# KiCad board APA102_Matrix.kicad_pcb (continued)
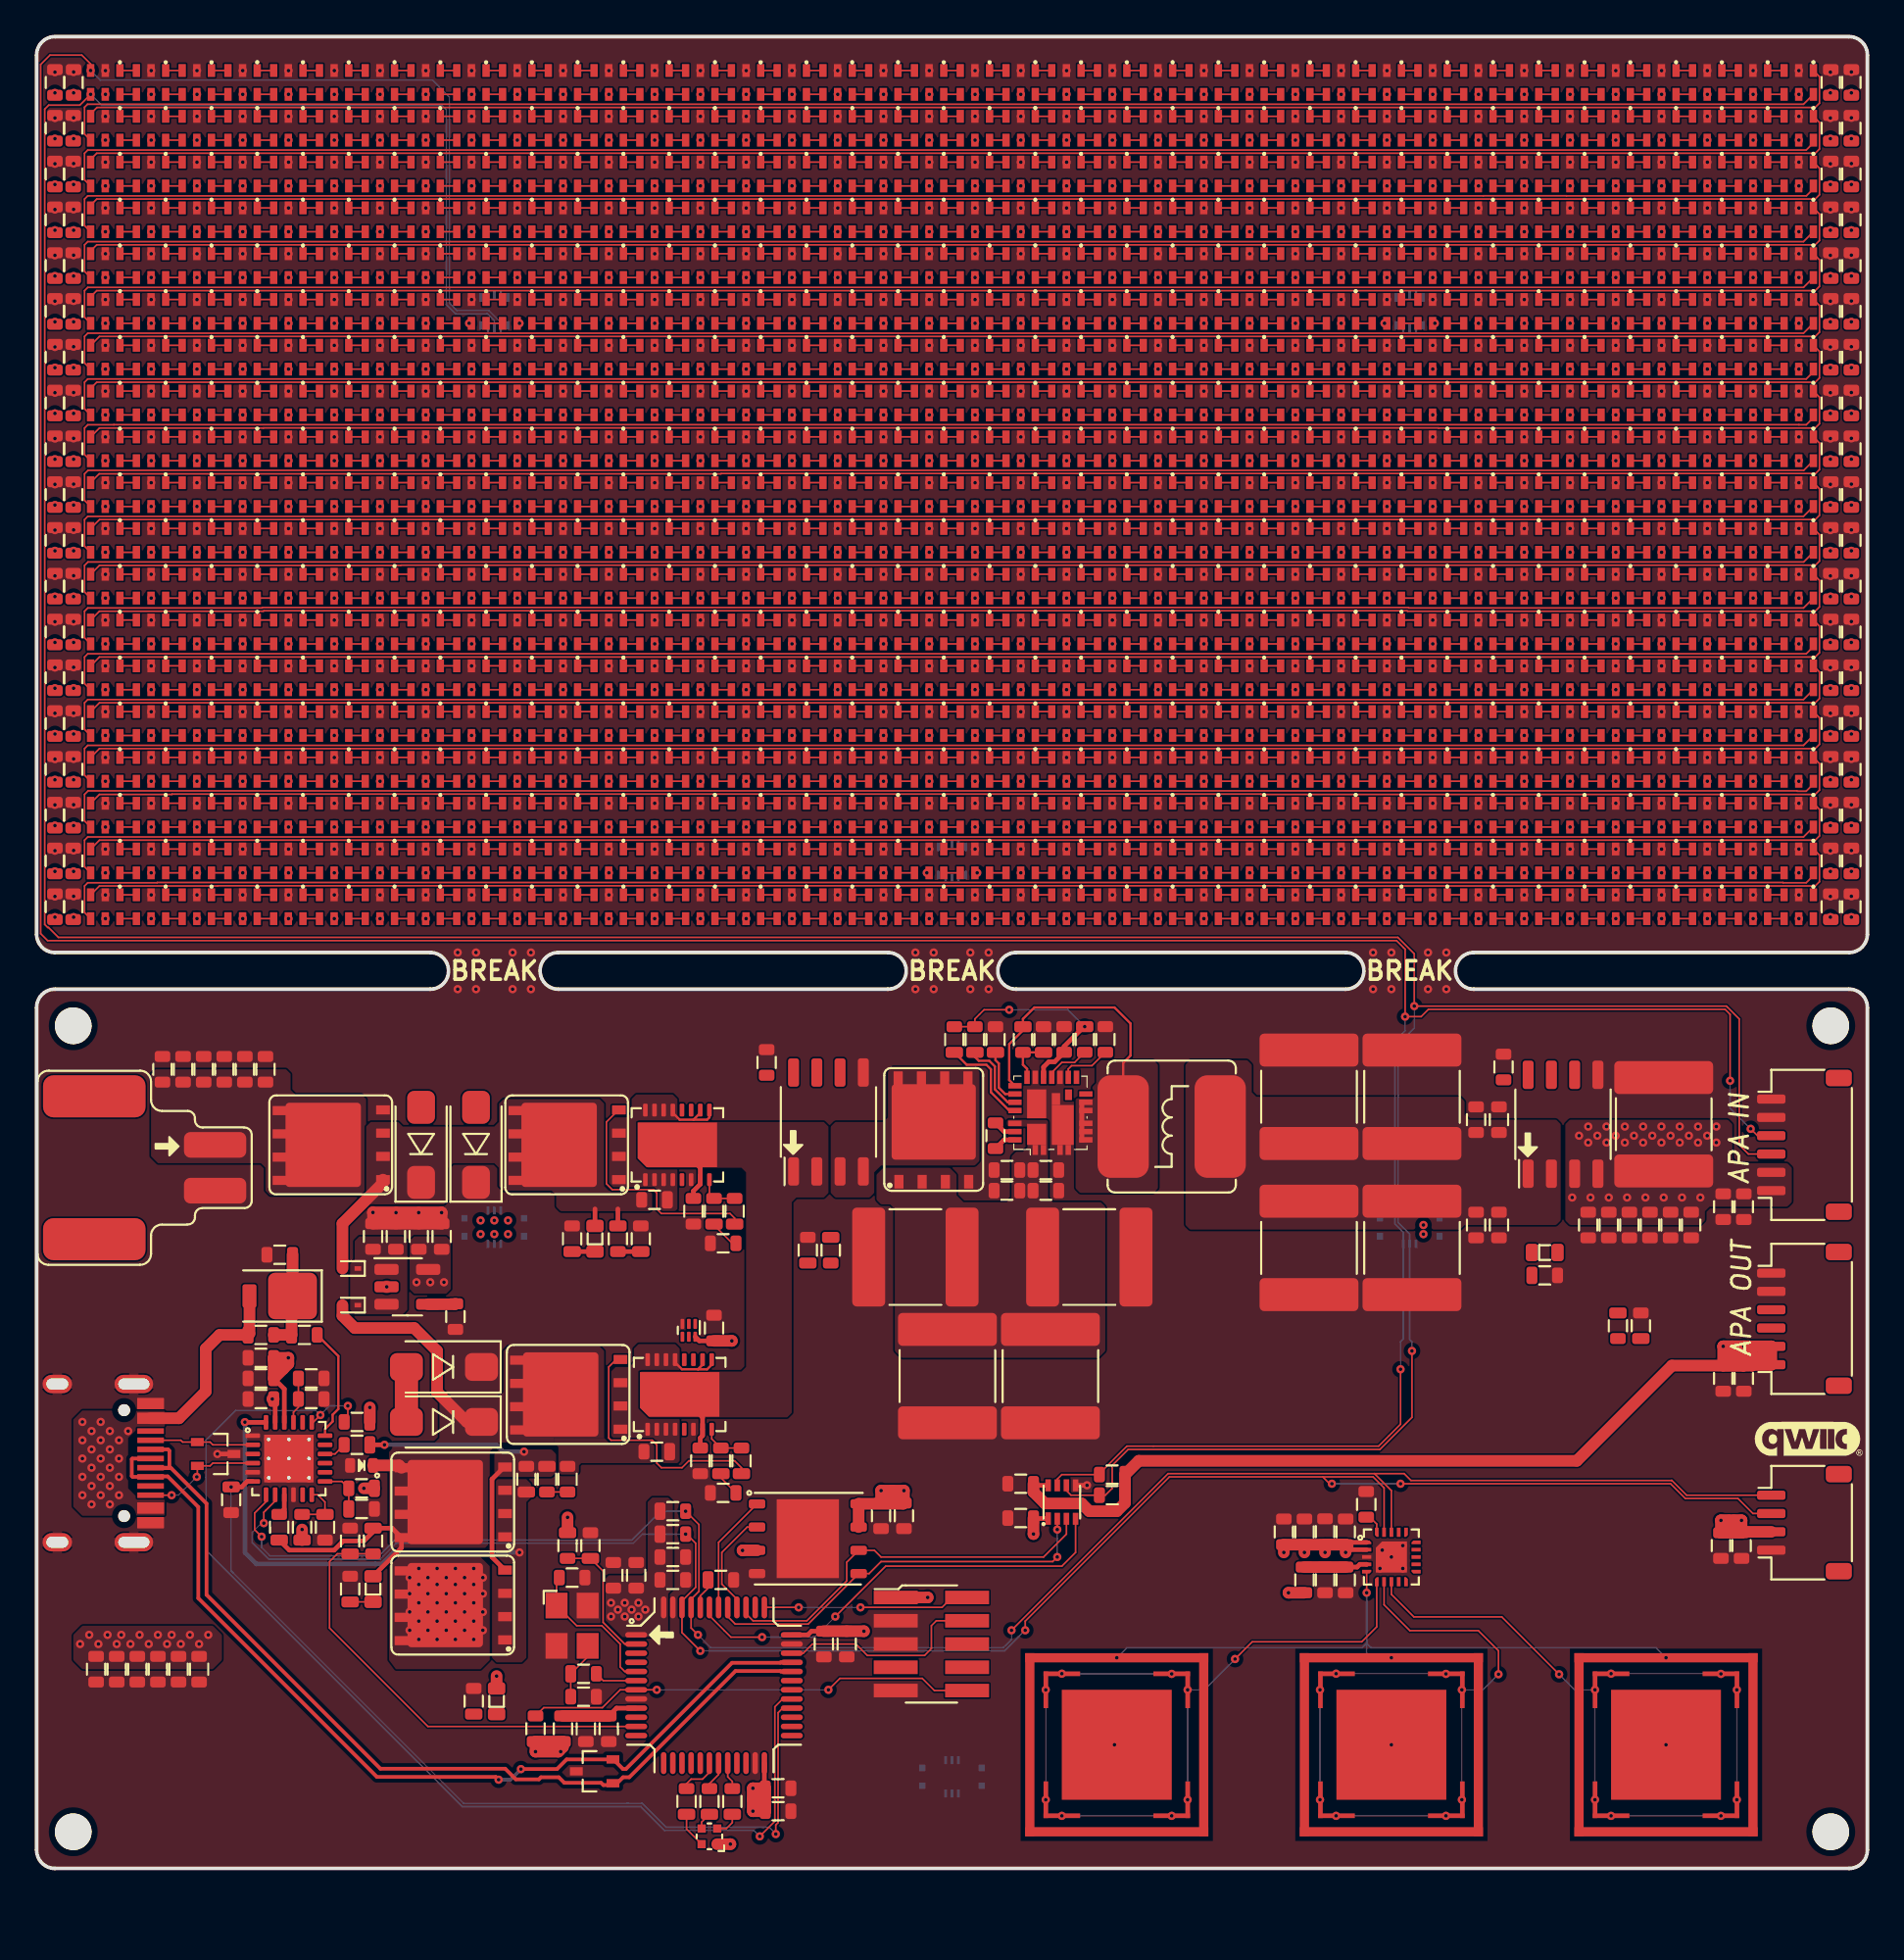
[diagram p0: board, top side]
## Placement (name value [footprint] x y rotation side) (continued)
D216  SK9822  [SK9822_2020]  66.25 85 270 top
D217  SK9822  [SK9822_2020]  68.75 85 270 top
D218  SK9822  [SK9822_2020]  71.25 85 270 top
D219  SK9822  [SK9822_2020]  73.75 85 270 top
D220  SK9822  [SK9822_2020]  76.25 85 270 top
D221  SK9822  [SK9822_2020]  78.75 85 270 top
D222  SK9822  [SK9822_2020]  81.25 85 270 top
D223  SK9822  [SK9822_2020]  83.75 85 270 top
D224  SK9822  [SK9822_2020]  86.25 85 270 top
D225  SK9822  [SK9822_2020]  88.75 85 270 top
D226  SK9822  [SK9822_2020]  91.25 85 270 top
D227  SK9822  [SK9822_2020]  93.75 85 270 top
D228  SK9822  [SK9822_2020]  96.25 85 270 top
D229  SK9822  [SK9822_2020]  3.75 82.5 270 top
D230  SK9822  [SK9822_2020]  6.25 82.5 270 top
D231  SK9822  [SK9822_2020]  8.75 82.5 270 top
D232  SK9822  [SK9822_2020]  11.25 82.5 270 top
D233  SK9822  [SK9822_2020]  13.75 82.5 270 top
D234  SK9822  [SK9822_2020]  16.25 82.5 270 top
D235  SK9822  [SK9822_2020]  18.75 82.5 270 top
D236  SK9822  [SK9822_2020]  21.25 82.5 270 top
D237  SK9822  [SK9822_2020]  23.75 82.5 270 top
D238  SK9822  [SK9822_2020]  26.25 82.5 270 top
D239  SK9822  [SK9822_2020]  28.75 82.5 270 top
D240  SK9822  [SK9822_2020]  31.25 82.5 270 top
D241  SK9822  [SK9822_2020]  33.75 82.5 270 top
D242  SK9822  [SK9822_2020]  36.25 82.5 270 top
D243  SK9822  [SK9822_2020]  38.75 82.5 270 top
D244  SK9822  [SK9822_2020]  41.25 82.5 270 top
D245  SK9822  [SK9822_2020]  43.75 82.5 270 top
D246  SK9822  [SK9822_2020]  46.25 82.5 270 top
D247  SK9822  [SK9822_2020]  48.75 82.5 270 top
D248  SK9822  [SK9822_2020]  51.25 82.5 270 top
D249  SK9822  [SK9822_2020]  53.75 82.5 270 top
D250  SK9822  [SK9822_2020]  56.25 82.5 270 top
D251  SK9822  [SK9822_2020]  58.75 82.5 270 top
D252  SK9822  [SK9822_2020]  61.25 82.5 270 top
D253  SK9822  [SK9822_2020]  63.75 82.5 270 top
D254  SK9822  [SK9822_2020]  66.25 82.5 270 top
D255  SK9822  [SK9822_2020]  68.75 82.5 270 top
D256  SK9822  [SK9822_2020]  71.25 82.5 270 top
D257  SK9822  [SK9822_2020]  73.75 82.5 270 top
D258  SK9822  [SK9822_2020]  76.25 82.5 270 top
D259  SK9822  [SK9822_2020]  78.75 82.5 270 top
D260  SK9822  [SK9822_2020]  81.25 82.5 270 top
D261  SK9822  [SK9822_2020]  83.75 82.5 270 top
D262  SK9822  [SK9822_2020]  86.25 82.5 270 top
D263  SK9822  [SK9822_2020]  88.75 82.5 270 top
D264  SK9822  [SK9822_2020]  91.25 82.5 270 top
D265  SK9822  [SK9822_2020]  93.75 82.5 270 top
D266  SK9822  [SK9822_2020]  96.25 82.5 270 top
D267  SK9822  [SK9822_2020]  3.75 80 270 top
D268  SK9822  [SK9822_2020]  6.25 80 270 top
D269  SK9822  [SK9822_2020]  8.75 80 270 top
D270  SK9822  [SK9822_2020]  11.25 80 270 top
D271  SK9822  [SK9822_2020]  13.75 80 270 top
D272  SK9822  [SK9822_2020]  16.25 80 270 top
D273  SK9822  [SK9822_2020]  18.75 80 270 top
D274  SK9822  [SK9822_2020]  21.25 80 270 top
D275  SK9822  [SK9822_2020]  23.75 80 270 top
D276  SK9822  [SK9822_2020]  26.25 80 270 top
D277  SK9822  [SK9822_2020]  28.75 80 270 top
D278  SK9822  [SK9822_2020]  31.25 80 270 top
D279  SK9822  [SK9822_2020]  33.75 80 270 top
D280  SK9822  [SK9822_2020]  36.25 80 270 top
D281  SK9822  [SK9822_2020]  38.75 80 270 top
D282  SK9822  [SK9822_2020]  41.25 80 270 top
D283  SK9822  [SK9822_2020]  43.75 80 270 top
D284  SK9822  [SK9822_2020]  46.25 80 270 top
D285  SK9822  [SK9822_2020]  48.75 80 270 top
D286  SK9822  [SK9822_2020]  51.25 80 270 top
D287  SK9822  [SK9822_2020]  53.75 80 270 top
D288  SK9822  [SK9822_2020]  56.25 80 270 top
D289  SK9822  [SK9822_2020]  58.75 80 270 top
D290  SK9822  [SK9822_2020]  61.25 80 270 top
D291  SK9822  [SK9822_2020]  63.75 80 270 top
D292  SK9822  [SK9822_2020]  66.25 80 270 top
D293  SK9822  [SK9822_2020]  68.75 80 270 top
D294  SK9822  [SK9822_2020]  71.25 80 270 top
D295  SK9822  [SK9822_2020]  73.75 80 270 top
D296  SK9822  [SK9822_2020]  76.25 80 270 top
D297  SK9822  [SK9822_2020]  78.75 80 270 top
D298  SK9822  [SK9822_2020]  81.25 80 270 top
D299  SK9822  [SK9822_2020]  83.75 80 270 top
D300  SK9822  [SK9822_2020]  86.25 80 270 top
D301  SK9822  [SK9822_2020]  88.75 80 270 top
D302  SK9822  [SK9822_2020]  91.25 80 270 top
D303  SK9822  [SK9822_2020]  93.75 80 270 top
D304  SK9822  [SK9822_2020]  96.25 80 270 top
D305  SK9822  [SK9822_2020]  3.75 77.5 270 top
D306  SK9822  [SK9822_2020]  6.25 77.5 270 top
D307  SK9822  [SK9822_2020]  8.75 77.5 270 top
D308  SK9822  [SK9822_2020]  11.25 77.5 270 top
D309  SK9822  [SK9822_2020]  13.75 77.5 270 top
D310  SK9822  [SK9822_2020]  16.25 77.5 270 top
D311  SK9822  [SK9822_2020]  18.75 77.5 270 top
D312  SK9822  [SK9822_2020]  21.25 77.5 270 top
D313  SK9822  [SK9822_2020]  23.75 77.5 270 top
D314  SK9822  [SK9822_2020]  26.25 77.5 270 top
D315  SK9822  [SK9822_2020]  28.75 77.5 270 top
D316  SK9822  [SK9822_2020]  31.25 77.5 270 top
D317  SK9822  [SK9822_2020]  33.75 77.5 270 top
D318  SK9822  [SK9822_2020]  36.25 77.5 270 top
D319  SK9822  [SK9822_2020]  38.75 77.5 270 top
D320  SK9822  [SK9822_2020]  41.25 77.5 270 top
D321  SK9822  [SK9822_2020]  43.75 77.5 270 top
D322  SK9822  [SK9822_2020]  46.25 77.5 270 top
D323  SK9822  [SK9822_2020]  48.75 77.5 270 top
D324  SK9822  [SK9822_2020]  51.25 77.5 270 top
D325  SK9822  [SK9822_2020]  53.75 77.5 270 top
D326  SK9822  [SK9822_2020]  56.25 77.5 270 top
D327  SK9822  [SK9822_2020]  58.75 77.5 270 top
D328  SK9822  [SK9822_2020]  61.25 77.5 270 top
D329  SK9822  [SK9822_2020]  63.75 77.5 270 top
D330  SK9822  [SK9822_2020]  66.25 77.5 270 top
D331  SK9822  [SK9822_2020]  68.75 77.5 270 top
D332  SK9822  [SK9822_2020]  71.25 77.5 270 top
D333  SK9822  [SK9822_2020]  73.75 77.5 270 top
D334  SK9822  [SK9822_2020]  76.25 77.5 270 top
D335  SK9822  [SK9822_2020]  78.75 77.5 270 top
D336  SK9822  [SK9822_2020]  81.25 77.5 270 top
D337  SK9822  [SK9822_2020]  83.75 77.5 270 top
D338  SK9822  [SK9822_2020]  86.25 77.5 270 top
D339  SK9822  [SK9822_2020]  88.75 77.5 270 top
D340  SK9822  [SK9822_2020]  91.25 77.5 270 top
D341  SK9822  [SK9822_2020]  93.75 77.5 270 top
D342  SK9822  [SK9822_2020]  96.25 77.5 270 top
D343  SK9822  [SK9822_2020]  3.75 75 270 top
D344  SK9822  [SK9822_2020]  6.25 75 270 top
D345  SK9822  [SK9822_2020]  8.75 75 270 top
D346  SK9822  [SK9822_2020]  11.25 75 270 top
D347  SK9822  [SK9822_2020]  13.75 75 270 top
D348  SK9822  [SK9822_2020]  16.25 75 270 top
D349  SK9822  [SK9822_2020]  18.75 75 270 top
D350  SK9822  [SK9822_2020]  21.25 75 270 top
D351  SK9822  [SK9822_2020]  23.75 75 270 top
D352  SK9822  [SK9822_2020]  26.25 75 270 top
D353  SK9822  [SK9822_2020]  28.75 75 270 top
D354  SK9822  [SK9822_2020]  31.25 75 270 top
D355  SK9822  [SK9822_2020]  33.75 75 270 top
D356  SK9822  [SK9822_2020]  36.25 75 270 top
D357  SK9822  [SK9822_2020]  38.75 75 270 top
D358  SK9822  [SK9822_2020]  41.25 75 270 top
D359  SK9822  [SK9822_2020]  43.75 75 270 top
D360  SK9822  [SK9822_2020]  46.25 75 270 top
D361  SK9822  [SK9822_2020]  48.75 75 270 top
D362  SK9822  [SK9822_2020]  51.25 75 270 top
D363  SK9822  [SK9822_2020]  53.75 75 270 top
D364  SK9822  [SK9822_2020]  56.25 75 270 top
D365  SK9822  [SK9822_2020]  58.75 75 270 top
D366  SK9822  [SK9822_2020]  61.25 75 270 top
D367  SK9822  [SK9822_2020]  63.75 75 270 top
D368  SK9822  [SK9822_2020]  66.25 75 270 top
D369  SK9822  [SK9822_2020]  68.75 75 270 top
D370  SK9822  [SK9822_2020]  71.25 75 270 top
D371  SK9822  [SK9822_2020]  73.75 75 270 top
D372  SK9822  [SK9822_2020]  76.25 75 270 top
D373  SK9822  [SK9822_2020]  78.75 75 270 top
D374  SK9822  [SK9822_2020]  81.25 75 270 top
D375  SK9822  [SK9822_2020]  83.75 75 270 top
D376  SK9822  [SK9822_2020]  86.25 75 270 top
D377  SK9822  [SK9822_2020]  88.75 75 270 top
D378  SK9822  [SK9822_2020]  91.25 75 270 top
D379  SK9822  [SK9822_2020]  93.75 75 270 top
D380  SK9822  [SK9822_2020]  96.25 75 270 top
D381  SK9822  [SK9822_2020]  3.75 72.5 270 top
D382  SK9822  [SK9822_2020]  6.25 72.5 270 top
D383  SK9822  [SK9822_2020]  8.75 72.5 270 top
D384  SK9822  [SK9822_2020]  11.25 72.5 270 top
D385  SK9822  [SK9822_2020]  13.75 72.5 270 top
D386  SK9822  [SK9822_2020]  16.25 72.5 270 top
D387  SK9822  [SK9822_2020]  18.75 72.5 270 top
D388  SK9822  [SK9822_2020]  21.25 72.5 270 top
D389  SK9822  [SK9822_2020]  23.75 72.5 270 top
D390  SK9822  [SK9822_2020]  26.25 72.5 270 top
D391  SK9822  [SK9822_2020]  28.75 72.5 270 top
D392  SK9822  [SK9822_2020]  31.25 72.5 270 top
D393  SK9822  [SK9822_2020]  33.75 72.5 270 top
D394  SK9822  [SK9822_2020]  36.25 72.5 270 top
D395  SK9822  [SK9822_2020]  38.75 72.5 270 top
D396  SK9822  [SK9822_2020]  41.25 72.5 270 top
D397  SK9822  [SK9822_2020]  43.75 72.5 270 top
D398  SK9822  [SK9822_2020]  46.25 72.5 270 top
D399  SK9822  [SK9822_2020]  48.75 72.5 270 top
D400  SK9822  [SK9822_2020]  51.25 72.5 270 top
D401  SK9822  [SK9822_2020]  53.75 72.5 270 top
D402  SK9822  [SK9822_2020]  56.25 72.5 270 top
D403  SK9822  [SK9822_2020]  58.75 72.5 270 top
D404  SK9822  [SK9822_2020]  61.25 72.5 270 top
D405  SK9822  [SK9822_2020]  63.75 72.5 270 top
D406  SK9822  [SK9822_2020]  66.25 72.5 270 top
D407  SK9822  [SK9822_2020]  68.75 72.5 270 top
D408  SK9822  [SK9822_2020]  71.25 72.5 270 top
D409  SK9822  [SK9822_2020]  73.75 72.5 270 top
D410  SK9822  [SK9822_2020]  76.25 72.5 270 top
D411  SK9822  [SK9822_2020]  78.75 72.5 270 top
D412  SK9822  [SK9822_2020]  81.25 72.5 270 top
D413  SK9822  [SK9822_2020]  83.75 72.5 270 top
D414  SK9822  [SK9822_2020]  86.25 72.5 270 top
D415  SK9822  [SK9822_2020]  88.75 72.5 270 top
D416  SK9822  [SK9822_2020]  91.25 72.5 270 top
D417  SK9822  [SK9822_2020]  93.75 72.5 270 top
D418  SK9822  [SK9822_2020]  96.25 72.5 270 top
D419  SK9822  [SK9822_2020]  3.75 70 270 top
D420  SK9822  [SK9822_2020]  6.25 70 270 top
D421  SK9822  [SK9822_2020]  8.75 70 270 top
D422  SK9822  [SK9822_2020]  11.25 70 270 top
D423  SK9822  [SK9822_2020]  13.75 70 270 top
D424  SK9822  [SK9822_2020]  16.25 70 270 top
D425  SK9822  [SK9822_2020]  18.75 70 270 top
D426  SK9822  [SK9822_2020]  21.25 70 270 top
D427  SK9822  [SK9822_2020]  23.75 70 270 top
D428  SK9822  [SK9822_2020]  26.25 70 270 top
D429  SK9822  [SK9822_2020]  28.75 70 270 top
D430  SK9822  [SK9822_2020]  31.25 70 270 top
D431  SK9822  [SK9822_2020]  33.75 70 270 top
D432  SK9822  [SK9822_2020]  36.25 70 270 top
D433  SK9822  [SK9822_2020]  38.75 70 270 top
D434  SK9822  [SK9822_2020]  41.25 70 270 top
D435  SK9822  [SK9822_2020]  43.75 70 270 top
D436  SK9822  [SK9822_2020]  46.25 70 270 top
D437  SK9822  [SK9822_2020]  48.75 70 270 top
D438  SK9822  [SK9822_2020]  51.25 70 270 top
D439  SK9822  [SK9822_2020]  53.75 70 270 top
D440  SK9822  [SK9822_2020]  56.25 70 270 top
D441  SK9822  [SK9822_2020]  58.75 70 270 top
D442  SK9822  [SK9822_2020]  61.25 70 270 top
D443  SK9822  [SK9822_2020]  63.75 70 270 top
D444  SK9822  [SK9822_2020]  66.25 70 270 top
D445  SK9822  [SK9822_2020]  68.75 70 270 top
D446  SK9822  [SK9822_2020]  71.25 70 270 top
D447  SK9822  [SK9822_2020]  73.75 70 270 top
D448  SK9822  [SK9822_2020]  76.25 70 270 top
D449  SK9822  [SK9822_2020]  78.75 70 270 top
D450  SK9822  [SK9822_2020]  81.25 70 270 top
D451  SK9822  [SK9822_2020]  83.75 70 270 top
D452  SK9822  [SK9822_2020]  86.25 70 270 top
D453  SK9822  [SK9822_2020]  88.75 70 270 top
D454  SK9822  [SK9822_2020]  91.25 70 270 top
D455  SK9822  [SK9822_2020]  93.75 70 270 top
D456  SK9822  [SK9822_2020]  96.25 70 270 top
D457  SK9822  [SK9822_2020]  3.75 67.5 270 top
D458  SK9822  [SK9822_2020]  6.25 67.5 270 top
D459  SK9822  [SK9822_2020]  8.75 67.5 270 top
D460  SK9822  [SK9822_2020]  11.25 67.5 270 top
D461  SK9822  [SK9822_2020]  13.75 67.5 270 top
D462  SK9822  [SK9822_2020]  16.25 67.5 270 top
D463  SK9822  [SK9822_2020]  18.75 67.5 270 top
D464  SK9822  [SK9822_2020]  21.25 67.5 270 top
D465  SK9822  [SK9822_2020]  23.75 67.5 270 top
D466  SK9822  [SK9822_2020]  26.25 67.5 270 top
D467  SK9822  [SK9822_2020]  28.75 67.5 270 top
D468  SK9822  [SK9822_2020]  31.25 67.5 270 top
D469  SK9822  [SK9822_2020]  33.75 67.5 270 top
D470  SK9822  [SK9822_2020]  36.25 67.5 270 top
D471  SK9822  [SK9822_2020]  38.75 67.5 270 top
D472  SK9822  [SK9822_2020]  41.25 67.5 270 top
D473  SK9822  [SK9822_2020]  43.75 67.5 270 top
D474  SK9822  [SK9822_2020]  46.25 67.5 270 top
D475  SK9822  [SK9822_2020]  48.75 67.5 270 top
D476  SK9822  [SK9822_2020]  51.25 67.5 270 top
D477  SK9822  [SK9822_2020]  53.75 67.5 270 top
D478  SK9822  [SK9822_2020]  56.25 67.5 270 top
D479  SK9822  [SK9822_2020]  58.75 67.5 270 top
D480  SK9822  [SK9822_2020]  61.25 67.5 270 top
D481  SK9822  [SK9822_2020]  63.75 67.5 270 top
D482  SK9822  [SK9822_2020]  66.25 67.5 270 top
D483  SK9822  [SK9822_2020]  68.75 67.5 270 top
D484  SK9822  [SK9822_2020]  71.25 67.5 270 top
D485  SK9822  [SK9822_2020]  73.75 67.5 270 top
D486  SK9822  [SK9822_2020]  76.25 67.5 270 top
D487  SK9822  [SK9822_2020]  78.75 67.5 270 top
D488  SK9822  [SK9822_2020]  81.25 67.5 270 top
D489  SK9822  [SK9822_2020]  83.75 67.5 270 top
D490  SK9822  [SK9822_2020]  86.25 67.5 270 top
D491  SK9822  [SK9822_2020]  88.75 67.5 270 top
D492  SK9822  [SK9822_2020]  91.25 67.5 270 top
D493  SK9822  [SK9822_2020]  93.75 67.5 270 top
D494  SK9822  [SK9822_2020]  96.25 67.5 270 top
D495  SK9822  [SK9822_2020]  3.75 65 270 top
D496  SK9822  [SK9822_2020]  6.25 65 270 top
D497  SK9822  [SK9822_2020]  8.75 65 270 top
D498  SK9822  [SK9822_2020]  11.25 65 270 top
D499  SK9822  [SK9822_2020]  13.75 65 270 top
D500  SK9822  [SK9822_2020]  16.25 65 270 top
D501  SK9822  [SK9822_2020]  18.75 65 270 top
D502  SK9822  [SK9822_2020]  21.25 65 270 top
D503  SK9822  [SK9822_2020]  23.75 65 270 top
D504  SK9822  [SK9822_2020]  26.25 65 270 top
D505  SK9822  [SK9822_2020]  28.75 65 270 top
D506  SK9822  [SK9822_2020]  31.25 65 270 top
D507  SK9822  [SK9822_2020]  33.75 65 270 top
D508  SK9822  [SK9822_2020]  36.25 65 270 top
D509  SK9822  [SK9822_2020]  38.75 65 270 top
D510  SK9822  [SK9822_2020]  41.25 65 270 top
D511  SK9822  [SK9822_2020]  43.75 65 270 top
D512  SK9822  [SK9822_2020]  46.25 65 270 top
D513  SK9822  [SK9822_2020]  48.75 65 270 top
D514  SK9822  [SK9822_2020]  51.25 65 270 top
D515  SK9822  [SK9822_2020]  53.75 65 270 top
D516  SK9822  [SK9822_2020]  56.25 65 270 top
D517  SK9822  [SK9822_2020]  58.75 65 270 top
D518  SK9822  [SK9822_2020]  61.25 65 270 top
D519  SK9822  [SK9822_2020]  63.75 65 270 top
D520  SK9822  [SK9822_2020]  66.25 65 270 top
D521  SK9822  [SK9822_2020]  68.75 65 270 top
D522  SK9822  [SK9822_2020]  71.25 65 270 top
D523  SK9822  [SK9822_2020]  73.75 65 270 top
D524  SK9822  [SK9822_2020]  76.25 65 270 top
D525  SK9822  [SK9822_2020]  78.75 65 270 top
D526  SK9822  [SK9822_2020]  81.25 65 270 top
D527  SK9822  [SK9822_2020]  83.75 65 270 top
D528  SK9822  [SK9822_2020]  86.25 65 270 top
D529  SK9822  [SK9822_2020]  88.75 65 270 top
D530  SK9822  [SK9822_2020]  91.25 65 270 top
D531  SK9822  [SK9822_2020]  93.75 65 270 top
D532  SK9822  [SK9822_2020]  96.25 65 270 top
D533  SK9822  [SK9822_2020]  3.75 62.5 270 top
D534  SK9822  [SK9822_2020]  6.25 62.5 270 top
D535  SK9822  [SK9822_2020]  8.75 62.5 270 top
D536  SK9822  [SK9822_2020]  11.25 62.5 270 top
D537  SK9822  [SK9822_2020]  13.75 62.5 270 top
D538  SK9822  [SK9822_2020]  16.25 62.5 270 top
D539  SK9822  [SK9822_2020]  18.75 62.5 270 top
D540  SK9822  [SK9822_2020]  21.25 62.5 270 top
D541  SK9822  [SK9822_2020]  23.75 62.5 270 top
D542  SK9822  [SK9822_2020]  26.25 62.5 270 top
D543  SK9822  [SK9822_2020]  28.75 62.5 270 top
D544  SK9822  [SK9822_2020]  31.25 62.5 270 top
D545  SK9822  [SK9822_2020]  33.75 62.5 270 top
D546  SK9822  [SK9822_2020]  36.25 62.5 270 top
D547  SK9822  [SK9822_2020]  38.75 62.5 270 top
D548  SK9822  [SK9822_2020]  41.25 62.5 270 top
D549  SK9822  [SK9822_2020]  43.75 62.5 270 top
D550  SK9822  [SK9822_2020]  46.25 62.5 270 top
D551  SK9822  [SK9822_2020]  48.75 62.5 270 top
D552  SK9822  [SK9822_2020]  51.25 62.5 270 top
D553  SK9822  [SK9822_2020]  53.75 62.5 270 top
D554  SK9822  [SK9822_2020]  56.25 62.5 270 top
D555  SK9822  [SK9822_2020]  58.75 62.5 270 top
D556  SK9822  [SK9822_2020]  61.25 62.5 270 top
D557  SK9822  [SK9822_2020]  63.75 62.5 270 top
D558  SK9822  [SK9822_2020]  66.25 62.5 270 top
D559  SK9822  [SK9822_2020]  68.75 62.5 270 top
D560  SK9822  [SK9822_2020]  71.25 62.5 270 top
D561  SK9822  [SK9822_2020]  73.75 62.5 270 top
D562  SK9822  [SK9822_2020]  76.25 62.5 270 top
D563  SK9822  [SK9822_2020]  78.75 62.5 270 top
D564  SK9822  [SK9822_2020]  81.25 62.5 270 top
D565  SK9822  [SK9822_2020]  83.75 62.5 270 top
D566  SK9822  [SK9822_2020]  86.25 62.5 270 top
D567  SK9822  [SK9822_2020]  88.75 62.5 270 top
D568  SK9822  [SK9822_2020]  91.25 62.5 270 top
D569  SK9822  [SK9822_2020]  93.75 62.5 270 top
D570  SK9822  [SK9822_2020]  96.25 62.5 270 top
D571  SK9822  [SK9822_2020]  3.75 60 270 top
D572  SK9822  [SK9822_2020]  6.25 60 270 top
D573  SK9822  [SK9822_2020]  8.75 60 270 top
D574  SK9822  [SK9822_2020]  11.25 60 270 top
D575  SK9822  [SK9822_2020]  13.75 60 270 top
D576  SK9822  [SK9822_2020]  16.25 60 270 top
D577  SK9822  [SK9822_2020]  18.75 60 270 top
D578  SK9822  [SK9822_2020]  21.25 60 270 top
D579  SK9822  [SK9822_2020]  23.75 60 270 top
D580  SK9822  [SK9822_2020]  26.25 60 270 top
D581  SK9822  [SK9822_2020]  28.75 60 270 top
D582  SK9822  [SK9822_2020]  31.25 60 270 top
D583  SK9822  [SK9822_2020]  33.75 60 270 top
D584  SK9822  [SK9822_2020]  36.25 60 270 top
D585  SK9822  [SK9822_2020]  38.75 60 270 top
D586  SK9822  [SK9822_2020]  41.25 60 270 top
D587  SK9822  [SK9822_2020]  43.75 60 270 top
D588  SK9822  [SK9822_2020]  46.25 60 270 top
D589  SK9822  [SK9822_2020]  48.75 60 270 top
D590  SK9822  [SK9822_2020]  51.25 60 270 top
D591  SK9822  [SK9822_2020]  53.75 60 270 top
D592  SK9822  [SK9822_2020]  56.25 60 270 top
D593  SK9822  [SK9822_2020]  58.75 60 270 top
D594  SK9822  [SK9822_2020]  61.25 60 270 top
D595  SK9822  [SK9822_2020]  63.75 60 270 top
D596  SK9822  [SK9822_2020]  66.25 60 270 top
D597  SK9822  [SK9822_2020]  68.75 60 270 top
D598  SK9822  [SK9822_2020]  71.25 60 270 top
D599  SK9822  [SK9822_2020]  73.75 60 270 top
D600  SK9822  [SK9822_2020]  76.25 60 270 top
D601  SK9822  [SK9822_2020]  78.75 60 270 top
D602  SK9822  [SK9822_2020]  81.25 60 270 top
D603  SK9822  [SK9822_2020]  83.75 60 270 top
D604  SK9822  [SK9822_2020]  86.25 60 270 top
D605  SK9822  [SK9822_2020]  88.75 60 270 top
D606  SK9822  [SK9822_2020]  91.25 60 270 top
D607  SK9822  [SK9822_2020]  93.75 60 270 top
D608  SK9822  [SK9822_2020]  96.25 60 270 top
D609  SK9822  [SK9822_2020]  3.75 57.5 270 top
D610  SK9822  [SK9822_2020]  6.25 57.5 270 top
D611  SK9822  [SK9822_2020]  8.75 57.5 270 top
D612  SK9822  [SK9822_2020]  11.25 57.5 270 top
D613  SK9822  [SK9822_2020]  13.75 57.5 270 top
D614  SK9822  [SK9822_2020]  16.25 57.5 270 top
D615  SK9822  [SK9822_2020]  18.75 57.5 270 top
D616  SK9822  [SK9822_2020]  21.25 57.5 270 top
D617  SK9822  [SK9822_2020]  23.75 57.5 270 top
D618  SK9822  [SK9822_2020]  26.25 57.5 270 top
D619  SK9822  [SK9822_2020]  28.75 57.5 270 top
D620  SK9822  [SK9822_2020]  31.25 57.5 270 top
D621  SK9822  [SK9822_2020]  33.75 57.5 270 top
D622  SK9822  [SK9822_2020]  36.25 57.5 270 top
D623  SK9822  [SK9822_2020]  38.75 57.5 270 top
D624  SK9822  [SK9822_2020]  41.25 57.5 270 top
D625  SK9822  [SK9822_2020]  43.75 57.5 270 top
D626  SK9822  [SK9822_2020]  46.25 57.5 270 top
D627  SK9822  [SK9822_2020]  48.75 57.5 270 top
D628  SK9822  [SK9822_2020]  51.25 57.5 270 top
D629  SK9822  [SK9822_2020]  53.75 57.5 270 top
D630  SK9822  [SK9822_2020]  56.25 57.5 270 top
D631  SK9822  [SK9822_2020]  58.75 57.5 270 top
D632  SK9822  [SK9822_2020]  61.25 57.5 270 top
D633  SK9822  [SK9822_2020]  63.75 57.5 270 top
D634  SK9822  [SK9822_2020]  66.25 57.5 270 top
D635  SK9822  [SK9822_2020]  68.75 57.5 270 top
D636  SK9822  [SK9822_2020]  71.25 57.5 270 top
D637  SK9822  [SK9822_2020]  73.75 57.5 270 top
D638  SK9822  [SK9822_2020]  76.25 57.5 270 top
D639  SK9822  [SK9822_2020]  78.75 57.5 270 top
D640  SK9822  [SK9822_2020]  81.25 57.5 270 top
D641  SK9822  [SK9822_2020]  83.75 57.5 270 top
D642  SK9822  [SK9822_2020]  86.25 57.5 270 top
D643  SK9822  [SK9822_2020]  88.75 57.5 270 top
D644  SK9822  [SK9822_2020]  91.25 57.5 270 top
D645  SK9822  [SK9822_2020]  93.75 57.5 270 top
D646  SK9822  [SK9822_2020]  96.25 57.5 270 top
D647  SK9822  [SK9822_2020]  3.75 55 270 top
D648  SK9822  [SK9822_2020]  6.25 55 270 top
D649  SK9822  [SK9822_2020]  8.75 55 270 top
D650  SK9822  [SK9822_2020]  11.25 55 270 top
D651  SK9822  [SK9822_2020]  13.75 55 270 top
D652  SK9822  [SK9822_2020]  16.25 55 270 top
D653  SK9822  [SK9822_2020]  18.75 55 270 top
D654  SK9822  [SK9822_2020]  21.25 55 270 top
D655  SK9822  [SK9822_2020]  23.75 55 270 top
D656  SK9822  [SK9822_2020]  26.25 55 270 top
D657  SK9822  [SK9822_2020]  28.75 55 270 top
D658  SK9822  [SK9822_2020]  31.25 55 270 top
D659  SK9822  [SK9822_2020]  33.75 55 270 top
D660  SK9822  [SK9822_2020]  36.25 55 270 top
D661  SK9822  [SK9822_2020]  38.75 55 270 top
D662  SK9822  [SK9822_2020]  41.25 55 270 top
D663  SK9822  [SK9822_2020]  43.75 55 270 top
D664  SK9822  [SK9822_2020]  46.25 55 270 top
D665  SK9822  [SK9822_2020]  48.75 55 270 top
D666  SK9822  [SK9822_2020]  51.25 55 270 top
D667  SK9822  [SK9822_2020]  53.75 55 270 top
D668  SK9822  [SK9822_2020]  56.25 55 270 top
D669  SK9822  [SK9822_2020]  58.75 55 270 top
D670  SK9822  [SK9822_2020]  61.25 55 270 top
D671  SK9822  [SK9822_2020]  63.75 55 270 top
D672  SK9822  [SK9822_2020]  66.25 55 270 top
D673  SK9822  [SK9822_2020]  68.75 55 270 top
D674  SK9822  [SK9822_2020]  71.25 55 270 top
D675  SK9822  [SK9822_2020]  73.75 55 270 top
D676  SK9822  [SK9822_2020]  76.25 55 270 top
D677  SK9822  [SK9822_2020]  78.75 55 270 top
D678  SK9822  [SK9822_2020]  81.25 55 270 top
D679  SK9822  [SK9822_2020]  83.75 55 270 top
D680  SK9822  [SK9822_2020]  86.25 55 270 top
D681  SK9822  [SK9822_2020]  88.75 55 270 top
D682  SK9822  [SK9822_2020]  91.25 55 270 top
D683  SK9822  [SK9822_2020]  93.75 55 270 top
D684  SK9822  [SK9822_2020]  96.25 55 270 top
D685  SK9822  [SK9822_2020]  3.75 52.5 270 top
D686  SK9822  [SK9822_2020]  6.25 52.5 270 top
D687  SK9822  [SK9822_2020]  8.75 52.5 270 top
D688  SK9822  [SK9822_2020]  11.25 52.5 270 top
D689  SK9822  [SK9822_2020]  13.75 52.5 270 top
D690  SK9822  [SK9822_2020]  16.25 52.5 270 top
D691  SK9822  [SK9822_2020]  18.75 52.5 270 top
D692  SK9822  [SK9822_2020]  21.25 52.5 270 top
D693  SK9822  [SK9822_2020]  23.75 52.5 270 top
D694  SK9822  [SK9822_2020]  26.25 52.5 270 top
D695  SK9822  [SK9822_2020]  28.75 52.5 270 top
D696  SK9822  [SK9822_2020]  31.25 52.5 270 top
D697  SK9822  [SK9822_2020]  33.75 52.5 270 top
D698  SK9822  [SK9822_2020]  36.25 52.5 270 top
D699  SK9822  [SK9822_2020]  38.75 52.5 270 top
D700  SK9822  [SK9822_2020]  41.25 52.5 270 top
D701  SK9822  [SK9822_2020]  43.75 52.5 270 top
D702  SK9822  [SK9822_2020]  46.25 52.5 270 top
D703  SK9822  [SK9822_2020]  48.75 52.5 270 top
D704  SK9822  [SK9822_2020]  51.25 52.5 270 top
D705  SK9822  [SK9822_2020]  53.75 52.5 270 top
D706  SK9822  [SK9822_2020]  56.25 52.5 270 top
D707  SK9822  [SK9822_2020]  58.75 52.5 270 top
D708  SK9822  [SK9822_2020]  61.25 52.5 270 top
D709  SK9822  [SK9822_2020]  63.75 52.5 270 top
D710  SK9822  [SK9822_2020]  66.25 52.5 270 top
D711  SK9822  [SK9822_2020]  68.75 52.5 270 top
D712  SK9822  [SK9822_2020]  71.25 52.5 270 top
D713  SK9822  [SK9822_2020]  73.75 52.5 270 top
D714  SK9822  [SK9822_2020]  76.25 52.5 270 top
D715  SK9822  [SK9822_2020]  78.75 52.5 270 top
D716  SK9822  [SK9822_2020]  81.25 52.5 270 top
D717  SK9822  [SK9822_2020]  83.75 52.5 270 top
D718  SK9822  [SK9822_2020]  86.25 52.5 270 top
D719  SK9822  [SK9822_2020]  88.75 52.5 270 top
D720  SK9822  [SK9822_2020]  91.25 52.5 270 top
D721  SK9822  [SK9822_2020]  93.75 52.5 270 top
D722  SK9822  [SK9822_2020]  96.25 52.5 270 top
D723  GREEN  [LED_0603]  30.5 34.38 90 top
D724  GREEN  [LED_0603]  82.38 33.62 0 top
D725  GREEN  [LED_0603]  25.12 9.12 90 top
D726  NSR05T40P2T5G  [SOD_923]  17.12 32.75 180 top
D727  NSR05T40P2T5G  [SOD_923]  17.12 30.75 180 top
D728  GREEN  [LED_0603]  18.38 15.25 90 top
D729  -  [LRTB_R48G]  36.75 1.75 270 top
D730  ESDA25P35-1U1M  [QFN1610]  17.75 22 180 top
D731  SS1P3L  [DO220AA]  13.28 31.25 180 top
D732  ESDA25W  [SOT_323]  30.48 5.3 90 top
D733  ESDA25W  [SOT_323]  9.78 22.62 270 top
D734  SMAJ24A  [DO_214AC]  22.25 24.38 180 top
D735  SMAJ24A  [DO_214AC]  22.25 27.38 180 top
D736  SMAJ40A  [DO_214AC]  21 39.5 90 top
D737  SMAJ24A  [DO_214AC]  24 39.5 90 top
FB1  220Ω 100MHz  [L_0603]  28.75 7.62 270 top
FB2  220Ω 100MHz  [L_0603]  69.25 15.75 270 top
H1  MountingHole  [MountingHole_2mm]  2 46 0 top
H2  MountingHole  [MountingHole_2mm]  98 46 0 top
H3  MountingHole  [MountingHole_2mm]  2 2 0 top
H4  MountingHole  [MountingHole_2mm]  98 2 0 top
J1  Conn_ARM_JTAG_SWD_10  [SWD_2X5_1.27MM]  48.88 12.25 0 top
L1  EXL1V0603-1R5  [EXL1V0603]  62 40.5 0 top
LOGO1  QWIIC_CONNECT_LOGO  [QWIIC_CONNECT_SILK]  96.75 23.5 0 top
P1  USB_C_Plug  [USB_C]  2.18 22.12 270 top
Q1  AON6411  [DFN8_5X6]  16.11 39.5 90 top
Q2  AON6411  [DFN8_5X6]  49 40.29 0 top
Q3  AON6411  [DFN8_5X6]  22.78 14.38 90 top
Q4  AON6411  [DFN8_5X6]  22.78 20 90 top
Q5  AON6414A  [DFN8_5X6]  29.09 25.88 90 top
Q6  AON6414A  [DFN8_5X6]  29 39.5 90 top
R1  51K  [R_0603]  43.38 33.75 270 top
R2  10K  [R_0603]  42.12 33.75 90 top
R3  51K  [R_0603]  31.75 34.38 270 top
R4  5K  [R_0603]  86.38 29.62 270 top
R5  10K  [R_0603]  33 34.38 90 top
R6  100K  [R_0603]  33.88 22.75 180 top
R7  10K  [R_0603]  29.25 34.38 90 top
R8  10K  [R_0603]  87.62 29.62 90 top
R9  1K  [R_0603]  82.38 32.38 0 top
R10  500R  [R_0603]  23.88 9.12 90 top
R11  51K  [R_0603]  18.38 17.88 270 top
R12  1K  [R_0603]  58.75 20.38 180 top
R13  1K  [R_0603]  58.75 21.5 180 top
R14  10K  [R_0603]  17.12 17.88 90 top
R15  10K  [R_0603]  17.12 15.25 90 top
R16  330R  [R_0603]  35.5 3.66 90 top
R17  330R  [R_0603]  36.75 3.66 90 top
R18  330R  [R_0603]  38 3.66 90 top
R19  4K7  [R_0603]  34.75 19.5 0 top
R20  4K7  [R_0603]  34.75 18.25 0 top
R21  10K  [R_0603]  29 17.62 270 top
R22  0R  [R_0603]  30.25 17.62 90 top
R23  10K  [R_0603]  27.25 7.62 90 top
R24  220R  [R_0603]  29.88 10.62 0 top
R25  10K  [R_0603]  37.38 15.75 0 top
R26  10K  [R_0603]  57.25 45.25 270 top
R27  10K  [R_0603]  52.38 45.25 90 top
R28  73K2  [R_0603]  53.88 45.25 270 top
R29  10K  [R_0603]  55 45.25 90 top
R30  510K  [R_0603]  51.25 45.25 90 top
R31  510K  [R_0603]  50.12 45.25 90 top
R32  470R  [R_0603]  12.25 29.12 0 top
R33  1K  [R_0603]  13.25 18.62 90 top
R34  100K  [R_0603]  26.75 21.25 90 top
R35  1K  [R_0603]  14.62 29.12 0 top
R36  100R  [R_0603]  27.88 21.25 270 top
R37  22K  [R_0603]  17.5 23.12 180 top
R38  4K7  [R_0603]  17.5 24.38 180 top
R39  10K  [R_0603]  10.62 20.12 270 top
R40  0R  [R_0603]  14.5 18.62 90 top
R41  100K  [R_0603]  15.75 18.62 270 top
R42  0R  [R_0603]  17.75 20.75 180 top
R43  100K  [R_0603]  17.75 19.62 0 top
R44  100K  [R_0603]  33.75 36.5 180 top
R45  10R  [R_0603]  38.5 22.25 90 top
R46  10K  [R_0603]  37.38 22.25 90 top
R47  10R  [R_0603]  38.12 35.88 90 top
R48  10K  [R_0603]  37 35.88 90 top
T1  -  [TOUCH_PAD]  59 6.75 0 top
T2  -  [TOUCH_PAD]  74 6.75 0 top
T3  -  [TOUCH_PAD]  89 6.75 0 top
U1  TMCS1108A4  [SOIC_154mil]  43.25 40.75 90 top
U2  74LVC1G14FW4-7  [DFN1010_6]  35.62 29.38 180 top
U3  TMCS1108A4  [SOIC_154mil]  83.38 40.62 90 top
U4  MIC5205-3.3YM5  [SOT-23-5]  20.25 31.75 0 top
U5  MAX14595  [TDFN_8]  56 20 90 top
U6  W25Q32JVZP  [WSON_8_6X5]  42.12 18 0 top
U7  STM32L151CCTx  [LQFP48]  37 10 0 top
U8  SIC437D  [MLP44_24L]  55.38 41.25 90 top
U9  IQS7222B  [QFN20]  74 17 0 top
U10  STUSB4500  [QFN_24_4X4]  13.78 22.38 0 top
U11  LTC4376HDHD  [DFN_16_5X4_EP]  35.12 25.88 0 top
U12  LTC4376HDHD  [DFN_16_5X4_EP]  35 39.5 0 top
Y1  8MHZ  [CRYSTAL_3225]  29.25 13.25 270 top

## Library data of the parts
C86 C105-C112 = -: Manu: CAL-CHIP ELECTRONICS, INC.; PN: GMC55Y5V226Z50NT

## Footprints (pads in the part's own frame, mm; a bottom-side part is the same pattern mirrored in y, then rotated)
1702473
  rrect 1.4x3.4 smd: 1(-1.25,0) 2(1.25,0)
  rrect 2.3x5.6 smd: X(-3.9,-6.6) X(3.9,-6.6)
5052740612
  rect 0.16x0.44 smd: 1(-0.35,-0.91) 2(-0.35,0.91) 3(0,-0.91) 4(0,0.91) 5(0.35,-0.91) 6(0.35,0.91)
  rect 0.21x0.48 smd: X1(-0.725,-0.765) X1(-0.725,0.765) X2(0.725,-0.765) X2(0.725,0.765)
5054130610
  rect 0.16x0.44 smd: 1(0.35,-0.91) 2(0.35,0.91) 3(0,-0.91) 4(0,0.91) 5(-0.35,-0.91) 6(-0.35,0.91)
  rect 0.34x0.36 smd: X1(1.63,-0.49) X1(1.63,0.49) X2(-1.63,-0.49) X2(-1.63,0.49)
C_0603
  rrect 0.6x0.85 smd: 1(-0.7,0) 2(0.7,0)
C_2220
  rrect 1.8x5.4 smd: 1(-2.55,0) 2(2.55,0)
CRYSTAL_3225
  rect 1.4x1.2 smd: 1(-1.1,-0.85) 2(1.1,-0.85) 3(1.1,0.85) 4(-1.1,0.85)
DFN8_5X6
  rrect 0.5x0.75 smd: 1(-1.9,-2.805) 2(-0.63,-2.805) 3(0.64,-2.805) 4(1.91,-2.805) 5(1.87,2.85) 6(0.6,2.85) 7(-0.67,2.85) 8(-1.94,2.85)
  rrect 4.6x4.12 smd: 5(0,0.46)
DFN1010_6
  rrect 0.2x0.55 smd: 1(-0.35,-0.35) 2(0,-0.35) 3(0.35,-0.35) 4(0.35,0.35) 5(0,0.35) 6(-0.35,0.35)
DFN_16_5X4_EP
  rrect 0.25x0.7 smd: 1(-1.75,-1.9) 2(-1.25,-1.9) 3(-0.75,-1.9) 4(-0.25,-1.9) 5(0.25,-1.9) 6(0.75,-1.9) 7(1.25,-1.9) 8(1.75,-1.9) 9(1.75,1.9) 10(1.25,1.9) 11(0.75,1.9) 12(0.25,1.9) 13(-0.25,1.9) 14(-0.75,1.9) 15(-1.25,1.9) 16(-1.75,1.9)
  rrect 4.34x2.44 smd: 17(0,0)
DO220AA
  rrect 2.67x2.54 smd: 1(-0.699,0)
  rrect 0.762x1.27 smd: 2(1.653,0)
DO_214AC
  rrect 1.8x1.52 smd: 1(-2.05,0) 2(2.05,0)
EXL1V0603
  rrect 2.8x5.6 smd: 1(-2.65,0) 2(2.65,0)
L_0603
  rrect 0.6x0.95 smd: 1(-0.7,0)
  rrect 0.6x0.85 smd: 2(0.7,0)
LED_0603
  rrect 0.675x0.95 smd: 1(-0.7,0) 2(0.7,0)
LQFP48
  oval 1.2x0.3 smd: 1(-4.25,2.75) 2(-4.25,2.25) 3(-4.25,1.75) 4(-4.25,1.25) 5(-4.25,0.75) 6(-4.25,0.25) 7(-4.25,-0.25) 8(-4.25,-0.75) 9(-4.25,-1.25) 10(-4.25,-1.75) 11(-4.25,-2.25) 12(-4.25,-2.75) 25(4.25,-2.75) 26(4.25,-2.25) 27(4.25,-1.75) 28(4.25,-1.25) 29(4.25,-0.75) 30(4.25,-0.25) 31(4.25,0.25) 32(4.25,0.75) 33(4.25,1.25) 34(4.25,1.75) 35(4.25,2.25) 36(4.25,2.75)
  oval 0.3x1.2 smd: 13(-2.75,-4.25) 14(-2.25,-4.25) 15(-1.75,-4.25) 16(-1.25,-4.25) 17(-0.75,-4.25) 18(-0.25,-4.25) 19(0.25,-4.25) 20(0.75,-4.25) 21(1.25,-4.25) 22(1.75,-4.25) 23(2.25,-4.25) 24(2.75,-4.25) 37(2.75,4.25) 38(2.25,4.25) 39(1.75,4.25) 40(1.25,4.25) 41(0.75,4.25) 42(0.25,4.25) 43(-0.25,4.25) 44(-0.75,4.25) 45(-1.25,4.25) 46(-1.75,4.25) 47(-2.25,4.25) 48(-2.75,4.25)
LRTB_R48G
  rect 0.45x0.45 smd: 1(0.425,0.425) 2(0.425,-0.425) 3(-0.425,-0.425) 4(-0.425,0.425)
MLP44_24L
  rect 0.55x0.3 smd: 1(-2.025,0.825) 2(-2.025,0.375) 3(-2.025,-0.525) 4(-2.025,-0.975)
  rect 0.3x0.725 smd: 5(-1.475,-1.938) 6(-1.025,-1.938) 7(-0.575,-1.938) 8(0.125,-1.938) 9(0.575,-1.938) 10(1.025,-1.938) 18(1.475,1.938) 19(1.025,1.938) 20(0.575,1.938) 21(0.125,1.938) 22(-0.575,1.938) 23(-1.025,1.938) 24(-1.475,1.938)
  rect 2.35x0.275 smd: 5(-0.45,-1.714)
  rect 0.725x0.3 smd: 11(1.938,-1.425) 12(1.938,-0.975) 13(1.938,-0.525) 14(1.938,-0.075) 15(1.938,0.375) 16(1.938,0.825) 17(1.938,1.275)
  rect 1.575x1.05 smd: 25(0.487,0.75)
  rect 1.15x1.05 smd: 26(-1.175,0.75)
  rect 2.175x1.2 smd: 27(-0.662,-0.675)
  rect 0.65x0.455 smd: 27(0.75,-0.302)
  rect 0.58x0.38 smd: 28(0.985,-0.99)
MountingHole_2mm
  round 2 hole 2 unplated: (0,0)
QFN20
  rrect 0.5x0.2 smd: 1(-1.35,0.8) 5(-1.35,-0.8) 11(1.35,-0.8) 15(1.35,0.8)
  rect 0.5x0.2 smd: 2(-1.35,0.4) 3(-1.35,0) 4(-1.35,-0.4) 12(1.35,-0.4) 13(1.35,0) 14(1.35,0.4)
  rrect 0.2x0.5 smd: 6(-0.8,-1.35) 10(0.8,-1.35) 16(0.8,1.35) 20(-0.8,1.35)
  rect 0.2x0.5 smd: 7(-0.4,-1.35) 8(0,-1.35) 9(0.4,-1.35) 17(0.4,1.35) 18(0,1.35) 19(-0.4,1.35)
  rrect 1.7x1.7 smd: 21(0,0)
QFN1610
  rrect 0.55x0.8 smd: 1(-0.625,0) 2(0.625,0)
QFN_24_4X4
  rrect 1.17x1.13 smd: (-0.675,0.65) (-0.675,-0.65) (0.675,0.65) (0.675,-0.65)
  rrect 0.8x0.25 smd: 1(-1.975,1.25) 2(-1.975,0.75) 3(-1.975,0.25) 4(-1.975,-0.25) 5(-1.975,-0.75) 6(-1.975,-1.25) 13(1.975,-1.25) 14(1.975,-0.75) 15(1.975,-0.25) 16(1.975,0.25) 17(1.975,0.75) 18(1.975,1.25)
  rrect 0.25x0.8 smd: 7(-1.25,-1.975) 8(-0.75,-1.975) 9(-0.25,-1.975) 10(0.25,-1.975) 11(0.75,-1.975) 12(1.25,-1.975) 19(1.25,1.975) 20(0.75,1.975) 21(0.25,1.975) 22(-0.25,1.975) 23(-0.75,1.975) 24(-1.25,1.975)
  round 0.5 hole 0.2: 25(-1.1,1.05) 25(-1.1,0) 25(-1.1,-1.05) 25(0,1.05) 25(0,0) 25(0,-1.05) 25(1.1,1.05) 25(1.1,0) 25(1.1,-1.05)
  rect 2.7x2.6 smd: 25(0,0)
  rect 2.7x2.6 smd far side: 25(0,0)
R_0603
  rrect 0.6x0.95 smd: 1(-0.7,0)
  rrect 0.6x0.85 smd: 2(0.7,0)
